# Altium PCB PDB_Core_v1.1_PCB.PcbDoc (part 2 of 2)
Units mm, origin at the board's own origin, x right, y up, seen from the top; angles counter-clockwise.
Board outline 56 x 38 mm, 4 copper layers (Top Layer, GND, POWER, Bottom Layer), stack 0.603 mm thick; 64 components, 98 nets, 359 pads, 153 vias.
Unrouted connection lines stored in the file: 1.
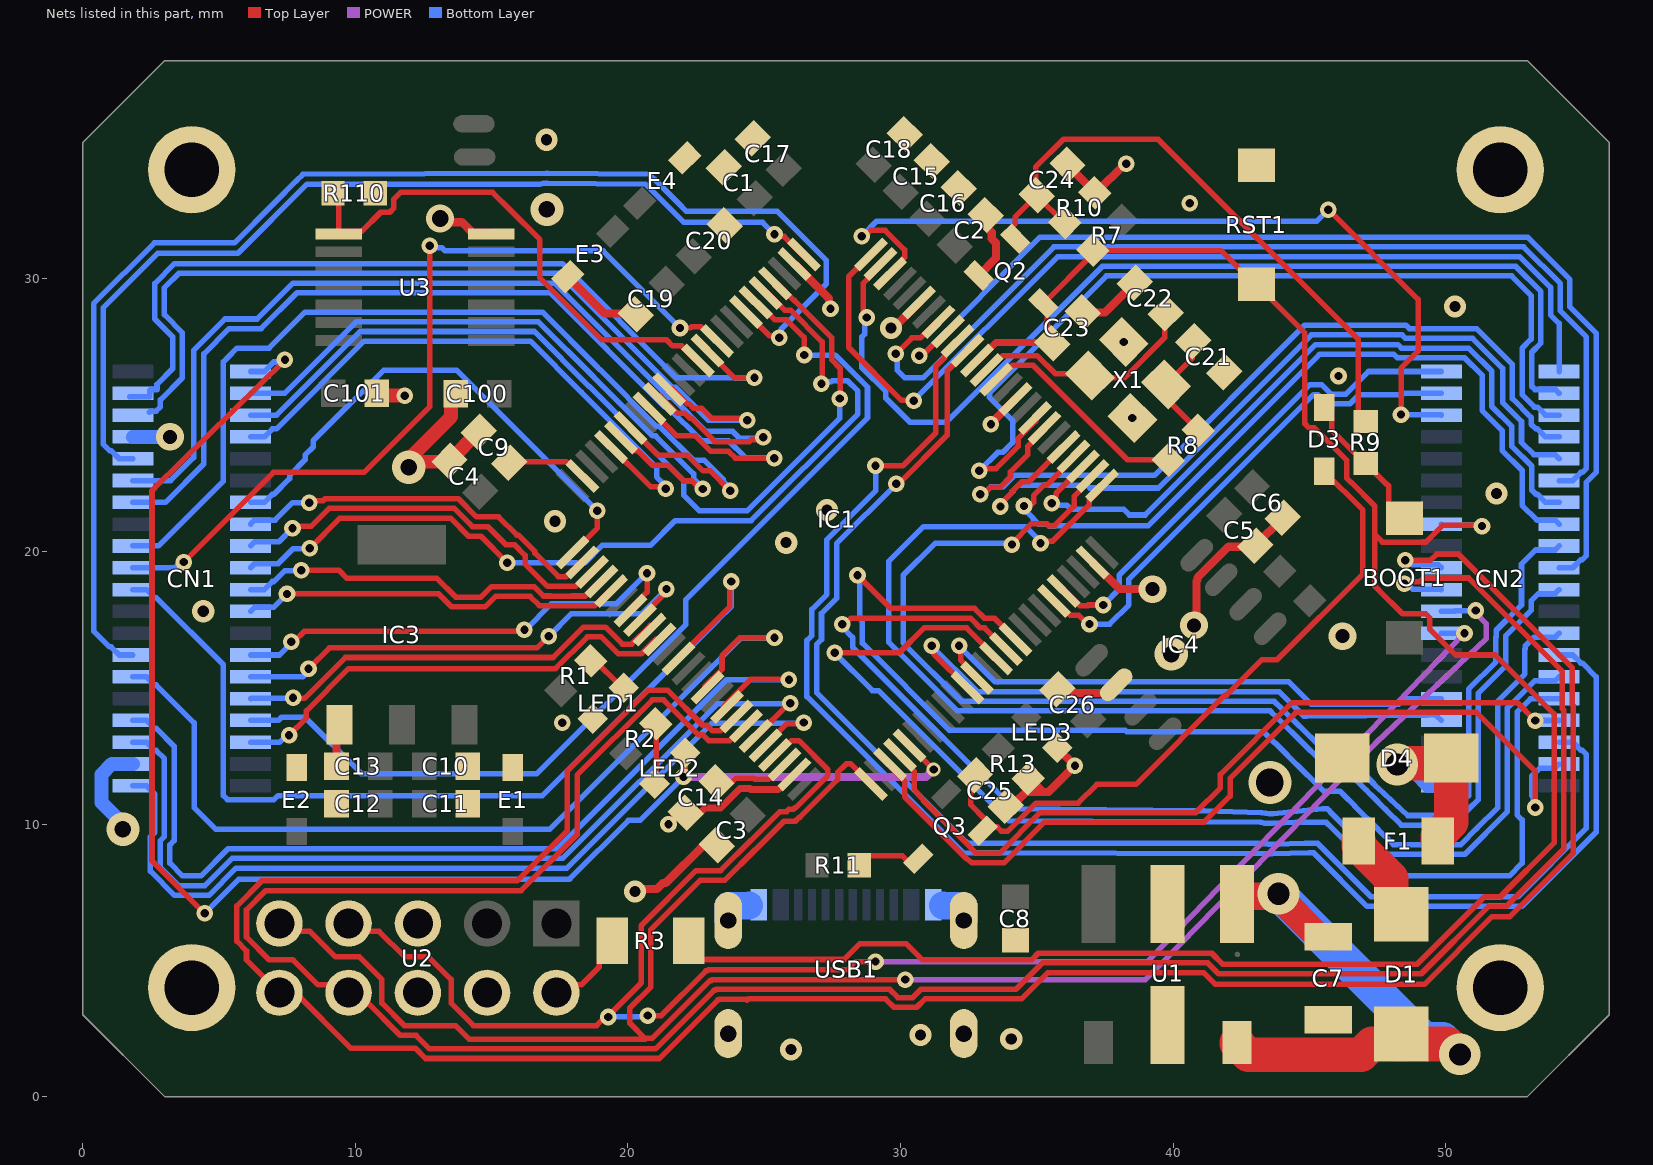
[diagram p4: the nets of this part, all layers, seen from the top]

## Via types
v1: diameter 0.61, hole 0.305, Top Layer to Bottom Layer, 113 vias
v2: diameter 0.813, hole 0.406, Top Layer to Bottom Layer, 12 vias
v3: diameter 1.219, hole 0.61, Top Layer to Bottom Layer, 9 vias
v4: diameter 1.524, hole 0.813, Top Layer to Bottom Layer, 5 vias
v5: diameter 1.016, hole 0.508, Top Layer to Bottom Layer, 4 vias
v6: diameter 1.524, hole 0.762, Top Layer to Bottom Layer, 2 vias
v7: diameter 1.2, hole 1.2, Top Layer to Bottom Layer, 2 vias
v8: diameter 0.8, hole 0.8, Top Layer to Bottom Layer, 2 vias
v9: diameter 1.016, hole 0.61, Top Layer to Bottom Layer, 1 vias
v10: diameter 0.508, hole 0.305, Top Layer to Bottom Layer, 1 vias
v11: diameter 1.575, hole 1.016, Top Layer to Bottom Layer, 1 vias
v12: diameter 1.422, hole 0.762, Top Layer to Bottom Layer, 1 vias

## Nets (pads, with @x,y where several pads share a name; then routed paths per layer and width w, separated by ;. In a path a pad name is that pad's centre, name@x,y a point inside that pad or via, vN(x,y) a via of type N, cw(c..) or ccw(c..) an arc to the next point about the centre after c; other vN are vias at no path point) (continued)
FAN2_PWR_EN: CN2.33 IC1.4 | length 29.9
  Top Layer w0.203: v1(34.528,21.667) 34.606,21.744 34.825,21.744 34.884,21.803 34.884,22.045 35.27,22.432 35.367,22.432 36.34,23.405 IC1.4@36.34,23.473
  Bottom Layer w0.203: v1(34.528,21.667) 34.528,21.557 34.876,21.209 34.876,21.186 35.043,21.019 35.363,21.019 35.433,20.949 39.09,20.949 45.37,27.229 48.102,27.229 48.227,27.104 50.695,27.104 51.333,26.466 51.333,25.171 52.07,24.435 52.07,23.708 52.8,22.978 52.8,22.098 52.807,22.091 52.807,21.692 53.35,21.148 54.012,21.148 CN2.33@54.16,21
FAN3_PWR_EN: CN2.36 IC1.5 | length 29.6
  Top Layer w0.203: v1(33.665,21.647) 33.665,21.737 34.108,22.18 34.108,22.21 34.454,22.555 34.714,22.555 IC1.5@35.986,23.827
  Bottom Layer w0.203: v1(33.665,21.647) 33.665,21.737 34.108,22.18 34.108,22.21 34.331,22.432 36.844,22.432 36.949,22.327 39.462,22.327 45.076,27.94 48.396,27.94 48.521,27.815 50.99,27.815 52.089,26.716 52.089,25.457 52.781,24.765 52.781,24.003 53.236,23.548 54.012,23.548 CN2.36@54.16,23.4
FIREON_PWR_EN: CN1.7 IC1.42 | length 36.9
  Top Layer w0.203: IC1.42@20.8,25.241 21.806,24.235 22.48,24.235 23.043,23.673 23.69,23.673 23.941,23.421 v1(25.372,23.421)
  Bottom Layer w0.203: CN1.7@1.84,21.8 3.029,21.8 4.445,23.215 4.445,27.25 5.366,28.171 6.546,28.171 7.865,29.489 17.155,29.489 21.343,25.301 21.46,25.301 22.71,24.051 23.698,24.051 24.327,23.421 v1(25.372,23.421)
GLVMS_OFF: CN2.3 IC1.23 | length 31.2
  Top Layer w0.203: v1(28.581,31.566) 28.691,31.566 28.904,31.779 29.436,31.779 30.15,31.065 30.15,30.787 29.622,30.259 IC1.23@29.622,30.191 ; v1(45.695,32.537) 48.991,29.241 48.991,27.35 48.362,26.721 v1(48.362,25.019)
  Bottom Layer w0.203: v1(28.581,31.566) 29.128,32.114 45.271,32.114 v1(45.695,32.537) ; v1(48.362,25.019) 48.371,25.009 49.83,25.009 CN2.3@49.84,25
GND: C1.1 C2.1 C3.1 C4.1 C5.1 C6.1 C7.1 C8.1 C9.2 C10.1 C11.1 C12.1 C13.1 C14.2 C15.1 C16.1 C17.1 C18.1 C19.1 C20.1 C21.2 C22.1 C23.1 C24.1 C25.1 C26.1 C100.1 C101.1 CN1.4 CN1.19 D4.1 E1.2 E2.2 E3.2 E4.2 IC1.10 IC1.20 IC1.27 IC1.74 IC1.99 IC3.1 IC4.2 LED1.1 LED3.1 pad.3 pad.4 pad.5 pad.6 Q2.2 R10.1 R13.1 R110.1 RST1.2 U1.2 U1.5 U2.4 U2.5 U2.6 U3.7 USB1.1 USB1.2 USB1.3 USB1.4 USB1.A1B12 USB1.B1A12 X1.2 X1.4 | length 60.1
  Top Layer w0.254: C14.2@22.117,10.407 22.152,10.372 22.609,10.372 22.824,10.587 23.399,10.587 24.107,11.296 24.471,11.296 24.5,11.267 25.516,11.267 26.071,11.823 IC1.74@26.103,11.823
  Top Layer w0.305: C13.1@9.309,12.116 9.309,13.532 IC3.1@9.419,13.642 ; v9(13.109,32.212) 13.245,32.076 13.909,32.076 14.294,31.69 14.944,31.69 U3.7@14.992,31.643 ; E3.2@17.789,30.083 19.141,28.73 20.252,28.73 C19.1@20.288,28.695 ; v2(20.265,7.518) 20.362,7.616 21.064,7.616 21.281,7.833 21.388,7.833 22.803,9.249 23.224,9.249 C3.1@23.26,9.213 ; v1(21.487,9.987) 21.802,10.301 21.674,10.429 22.095,10.429 C14.2@22.117,10.407 ; IC1.27@26.103,30.541 IC1.27@26.103,30.544 27.374,29.274 27.374,28.964 v1(27.432,28.905) ; v2(29.648,28.202) 29.751,28.202 30.679,29.13 IC1.20@30.683,29.13 ; Q2.2@32.871,30.123 33.505,30.757 33.505,31.321 33.344,31.482 33.344,31.704 33.128,31.92 C2.1@33.128,32.341 ; v1(33.317,24.661) 33.317,24.69 34.218,25.591 IC1.10@34.218,25.595 ; C25.1@33.773,10.798 34.22,10.798 34.598,11.176 35.23,11.176 ; R13.1@34.635,11.72 34.686,11.72 35.23,11.176 ; LED3.1@35.747,12.797 35.747,12.795 36.398,12.144 v1(36.398,12.141) 35.433,11.176 35.23,11.176 ; C26.1@35.756,14.942 35.792,14.977 36.213,14.977 36.382,14.808 37.608,14.808 IC4.2@37.909,15.108 ; C24.1@36.126,34.195 36.126,34.178 37.124,33.179 R10.1@37.124,33.162 37.175,33.162 38.232,34.219 v1(38.283,34.219) ; C23.1@36.691,28.767 36.727,28.731 37.148,28.731 37.183,28.767 37.502,28.767 C22.1@38.594,29.859 ; IC1.99@37.047,19.601 38.03,18.618 v5(39.244,18.617) v5(39.244,18.617) ; v5(40.768,17.286) 40.857,17.375 40.857,18.912 40.894,18.949 40.894,19.035 42.036,20.176 42.974,20.176 C5.1@43.009,20.212 C6.1@44.025,21.228
  Top Layer w0.508: C101.1@10.782,25.806 10.864,25.724 11.792,25.724 v1(11.811,25.705) ; C100.1@13.678,25.781 13.509,25.612 13.509,24.939 12.021,23.451 12.021,23.147 v3(11.963,23.089) 12.156,23.089 12.356,23.289 13.42,23.289 C4.1@13.455,23.324 C9.2@14.522,24.391
  Bottom Layer w0.508: v3(1.473,9.804) 1.473,9.997 0.684,10.786 0.684,11.818 1.061,12.196 1.836,12.196 CN1.19@1.84,12.2 ; CN1.4@1.84,24.2 1.842,24.202 v5(3.198,24.202)
  Bottom Layer w1.016: USB1.2@23.68,6.461 23.68,6.995 23.688,7.003 24.432,7.003 24.44,7.011 ; 31.56,7.011 31.568,7.003 32.312,7.003 32.32,6.995 USB1.1@32.32,6.461
  other v1: 17.596,13.719 38.506,24.892 46.068,26.434 38.188,27.685 40.615,32.774
  other v2: 25.984,1.727 34.061,2.108 30.739,2.262 4.42,17.805 25.806,20.32 17.323,21.107 27.308,21.522 51.867,22.123 50.343,28.981 17.018,35.103
  other v3: 39.931,16.233 17.027,32.547
  other v5: 46.216,16.891
  other v11: 43.548,11.52
H1_24V_Backup_EN: CN2.28 IC1.91 | length 44
  Top Layer w0.203: v1(28.423,19.126) 29.642,17.907 32.716,17.907 33.071,17.551 33.44,17.551 IC1.91@34.218,16.773
  Bottom Layer w0.203: v1(28.423,19.126) 28.5,19.048 28.5,17.546 28.6,17.446 28.6,16.632 31.796,13.437 38.247,13.437 38.297,13.386 43.316,13.386 44.16,12.559 cw(c44.018,12.413) 44.161,12.558 ; 44.161,12.557 44.893,11.825 ccw(c45.037,11.969) 44.911,11.81 44.913,11.81 45.519,11.204 46.123,11.204 46.242,11.085 46.666,10.653 ccw(c48.225,12.183) 46.688,10.631 47.502,9.825 48.081,9.246 50.553,9.246 51.137,9.829 51.911,10.603 51.911,12.603 51.911,14.51 52.908,15.507 52.908,16.411 52.921,16.424 52.921,16.539 53.234,16.852 54.012,16.852 CN2.28@54.16,17
H1_current_IN10: CN2.23 IC1.15 | length 51.2
  Top Layer w0.203: v1(29.845,22.479) 29.926,22.479 31.713,24.267 31.713,26.625 IC1.15@32.45,27.362
  Bottom Layer w0.203: v1(29.845,22.479) 27.654,20.288 27.654,18.275 27.102,17.723 27.102,16.765 26.924,16.587 26.924,14.823 32.391,9.356 32.481,9.296 43.138,9.296 ccw(c43.548,11.52) 43.682,9.263 44.839,9.296 45.302,9.296 45.361,9.237 47.266,7.332 52.65,7.332 55.164,9.845 55.164,12.555 55.015,12.704 54.956,12.704 54.66,13 CN2.23@54.16,13
H1_select: CN2.22 IC1.78 | length 32.8
  Top Layer w0.203: IC1.78@29.622,12.176 29.622,12.108 30.15,11.58 30.15,10.999 30.497,10.651 32.405,8.744 32.424,8.725 32.622,8.577 33.789,8.577 35.27,10.058 41.123,10.058 42.088,11.024 42.088,11.676 44.509,14.097 51.13,14.097 53.282,11.945 v1(53.282,10.606)
  Bottom Layer w0.203: v1(53.282,10.606) 53.205,10.684 53.205,10.996 53.156,11.045 53.156,11.755 53.452,12.052 54.012,12.052 CN2.22@54.16,12.2
H2_24V_Backup_EN: CN2.32 IC1.2 | length 45.9
  Top Layer w0.203: v1(34.087,20.251) 34.087,20.295 34.811,21.019 35.363,21.019 35.433,20.949 35.655,20.949 36.367,21.66 36.367,22.018 37.047,22.698 IC1.2@37.047,22.766
  Bottom Layer w0.203: v1(34.087,20.251) 34.043,20.295 31.267,20.295 30.099,19.126 30.099,16.643 32.238,14.503 43.707,14.503 43.763,14.447 43.922,14.296 45.391,12.853 45.982,12.853 47.359,11.476 ccw(c48.225,12.183) 47.518,11.317 48.607,10.312 50.112,10.312 50.844,11.045 50.844,13.045 50.844,14.952 51.841,15.949 51.841,16.853 51.854,16.866 51.854,17.107 52.781,18.034 52.781,19.533 53.3,20.052 54.012,20.052 CN2.32@54.16,20.2
H2_current_IN11: CN2.27 IC1.16 | length 56.6
  Top Layer w0.203: v1(29.083,23.139) 30.083,23.139 31.293,24.349 31.293,26.776 31.631,27.114 31.631,27.181 32.097,27.647 IC1.16@32.097,27.716
  Bottom Layer w0.203: v1(29.083,23.139) 29.083,22.22 27.298,20.435 27.298,18.423 26.746,17.871 26.746,16.912 26.568,16.735 26.568,14.675 26.619,14.625 29.174,12.07 29.233,12.011 32.243,9 32.303,8.941 43.539,8.903 ccw(c43.548,11.52) 43.617,8.904 44.986,8.941 45.154,8.941 45.214,8.881 47.119,6.976 52.798,6.976 55.52,9.698 55.52,15.4 55.015,15.904 54.956,15.904 54.66,16.2 CN2.27@54.16,16.2
H2_select: CN2.26 IC1.90 | length 41.6
  Top Layer w0.203: v1(27.864,17.323) 27.957,17.323 28.186,17.551 32.569,17.551 32.924,17.196 33.088,17.196 IC1.90@33.865,16.419
  Bottom Layer w0.203: v1(27.864,17.323) 27.864,17.223 28.245,16.842 28.245,16.485 34.104,10.626 34.163,10.566 40.956,10.482 ccw(c40.97,11.599) 40.99,10.482 41.125,10.482 43.257,10.414 ccw(c43.548,11.52) 43.663,10.382 45.483,10.566 45.649,10.566 45.662,10.557 45.73,10.489 45.764,10.446 47.32,8.89 50.701,8.89 52.266,10.456 52.266,12.368 52.266,14.257 53.261,15.252 54.012,15.252 CN2.26@54.16,15.4
H3_24V_Backup_EN: CN2.40 IC1.25 | length 36.2
  Top Layer w0.203: IC1.25@28.915,30.898 28.101,30.084 28.101,27.48 30.039,25.542 30.47,25.542 v1(30.482,25.529)
  Bottom Layer w0.203: v1(30.482,25.529) 35.771,30.818 52.711,30.818 53.848,29.681 53.848,28.675 54.16,28.363 CN2.40@54.16,26.6
H3_current_IN12: CN2.31 IC1.17 | length 39.6
  Top Layer w0.203: v1(30.69,27.174) 30.779,27.174 31.675,28.069 IC1.17@31.743,28.069
  Bottom Layer w0.203: v1(30.69,27.174) 30.764,27.174 35.12,31.529 53.006,31.529 54.559,29.976 54.559,28.97 55.52,28.009 55.52,22.898 55.164,22.542 55.164,19.845 55.015,19.696 54.956,19.696 54.66,19.4 CN2.31@54.16,19.4
H3_select: CN2.30 IC1.1 | length 46.7
  Top Layer w0.203: v1(35.137,20.295) 35.214,20.372 35.582,20.372 36.932,21.722 36.932,21.875 37.4,22.344 IC1.1@37.4,22.413
  Bottom Layer w0.203: v1(35.137,20.295) 35.137,20.359 34.584,20.912 30.843,20.912 29.566,19.634 29.566,16.673 32.091,14.148 43.559,14.148 43.618,14.09 43.77,13.941 44.881,12.852 45.235,12.498 45.835,12.498 47.096,11.237 ccw(c48.225,12.183) 47.279,11.054 47.797,10.536 48.376,9.957 50.259,9.957 50.842,10.54 51.2,10.898 51.2,12.897 51.2,14.805 52.197,15.802 52.197,16.706 52.21,16.718 52.21,16.912 53.137,17.839 53.137,18.186 53.402,18.452 54.012,18.452 CN2.30@54.16,18.6
H4_current_IN13: CN2.35 IC1.18 | length 38
  Top Layer w0.203: v1(29.829,27.25) 29.832,27.25 30.416,27.834 30.732,27.834 31.321,28.423 IC1.18@31.39,28.423
  Bottom Layer w0.203: v1(29.829,27.25) 29.886,27.193 29.886,26.64 30.157,26.368 30.818,26.368 35.623,31.173 52.859,31.173 54.204,29.828 54.204,28.823 55.164,27.862 55.164,23.045 55.015,22.896 54.956,22.896 54.66,22.6 CN2.35@54.16,22.6
H4_select: CN2.34 IC1.3 | length 27.3
  Top Layer w0.203: v1(35.544,21.772) 35.544,21.882 35.714,22.052 35.714,22.14 IC1.3@36.693,23.12
  Bottom Layer w0.203: v1(35.544,21.772) 35.622,21.694 36.101,21.694 36.255,21.539 38.196,21.539 38.399,21.336 38.975,21.336 45.223,27.584 48.249,27.584 48.374,27.46 50.843,27.46 51.689,26.613 51.689,25.324 52.426,24.587 52.426,23.856 53.156,23.125 53.156,22.245 53.305,22.096 53.364,22.096 53.66,21.8 CN2.34@54.16,21.8
H5_current_IN1: CN2.39 IC1.24 | length 37.6
  Top Layer w0.203: v1(28.761,28.583) 28.761,28.693 28.626,28.829 28.626,29.833 29.269,30.476 IC1.24@29.269,30.544
  Bottom Layer w0.203: v1(28.761,28.583) 28.684,28.505 28.684,27.974 28.582,27.872 28.582,26.738 29.46,25.859 29.46,25.618 30.338,24.74 31.683,24.74 37.406,30.462 52.564,30.462 53.492,29.534 53.492,27.642 53.156,27.305 53.156,26.059 53.275,25.94 54.02,25.94 CN2.39@54.16,25.8
H5_select: CN2.38 IC1.8 | length 34.2
  Top Layer w0.203: v1(32.893,22.962) 32.969,23.038 33.503,23.038 34.316,23.851 34.316,24.142 IC1.8@34.957,24.783
  Bottom Layer w0.203: v1(32.893,22.962) 33.569,23.638 33.754,23.638 34.111,23.995 34.111,24.802 33.264,25.649 33.264,25.818 37.553,30.106 52.417,30.106 53.137,29.386 53.137,27.789 52.8,27.453 52.8,25.752 53.256,25.296 53.364,25.296 53.66,25 CN2.38@54.16,25
IIC1_SCL_PB8: CN2.2 IC1.95 | length 18.9
  Top Layer w0.203: IC1.95@35.632,18.187 35.701,18.187 36.224,17.664 36.291,17.664 36.296,17.659 36.433,17.659 36.435,17.657 36.543,17.657 36.866,17.334 v1(36.934,17.334)
  Bottom Layer w0.203: v1(36.934,17.334) 37.674,17.334 38.379,18.04 38.379,18.98 45.154,25.754 45.311,25.754 45.647,25.418 46.489,25.418 46.825,25.754 48.397,25.754 48.443,25.8 CN2.2@49.84,25.8
IIC1_SDA_PB9: CN2.1 IC1.96 | length 18.2
  Top Layer w0.203: IC1.96@35.986,18.54 36.054,18.54 36.582,18.012 36.86,18.012 36.882,18.034 v1(37.44,18.034)
  Bottom Layer w0.203: v1(37.44,18.034) 38.024,18.618 38.024,19.127 45.006,26.11 45.458,26.11 45.794,25.773 46.341,25.773 47.168,26.6 CN2.1@49.84,26.6
IL+_PWR_EN: CN2.37 IC1.7 | length 30.1
  Top Layer w0.203: v1(32.929,22.099) 33.039,22.099 33.291,22.351 33.648,22.351 34.035,22.738 34.035,22.918 34.672,23.554 34.672,23.858 35.279,24.465 IC1.7@35.279,24.534
  Bottom Layer w0.203: v1(32.929,22.099) 33.039,22.099 33.305,22.365 33.761,22.365 34.183,22.788 39.315,22.788 44.823,28.296 48.544,28.296 48.668,28.171 51.137,28.171 52.445,26.863 52.445,25.604 53.137,24.912 53.137,24.664 53.305,24.496 53.364,24.496 53.66,24.2 CN2.37@54.16,24.2
L1_5V_Backup_EN: CN1.2 IC1.36 | length 31.7
  Top Layer w0.203: IC1.36@22.986,27.298 23.916,26.368 v1(24.641,26.368)
  Bottom Layer w0.203: CN1.2@1.722,25.678 2.462,25.678 2.462,25.914 2.488,25.94 2.725,25.94 2.725,26.125 3.302,26.703 3.302,27.872 2.638,28.536 2.638,28.953 2.638,29.819 2.65,29.833 3.373,30.556 17.597,30.556 21.785,26.368 v1(24.641,26.368)
L1_24V_Backup_EN: CN1.39 IC1.45 | length 24
  Top Layer w0.203: IC1.45@19.774,24.215 20.288,23.701 20.355,23.701 20.887,23.168 21.448,23.168 22.034,22.582 22.348,22.582 22.639,22.292 v1(22.749,22.292)
  Bottom Layer w0.203: CN1.39@6.16,25.8 7.405,25.8 10.027,28.423 16.713,28.423 18.745,26.391 ; 18.803,26.333 20.901,24.235 21.018,24.235 22.408,22.844 22.408,22.671 22.749,22.33 v1(22.749,22.292)
L1_current_IN3: CN1.5 IC1.26 | length 35
  Top Layer w0.203: v1(25.376,31.636) 25.454,31.558 25.729,31.558 26.389,30.898 IC1.26@26.457,30.898
  Bottom Layer w0.203: CN1.5@1.84,23.4 1.34,23.4 1.044,23.696 0.985,23.696 0.757,23.924 0.757,28.946 2.746,30.935 5.687,30.935 8.23,33.477 16.771,33.477 cw(c17.027,32.547) 17.039,33.512 20.644,33.477 20.704,33.418 22.05,32.071 24.94,32.071 v1(25.376,31.636)
L1_select0: CN1.6 IC1.41 | length 35.3
  Top Layer w0.203: IC1.41@21.176,25.708 21.82,25.064 22.092,25.064 22.267,24.889 22.329,24.889 23.19,24.028 24.457,24.028 24.533,24.105 24.887,24.105 v1(24.965,24.183)
  Bottom Layer w0.203: CN1.6@1.84,22.6 3.22,22.6 4.064,23.444 4.064,27.372 5.219,28.526 6.399,28.526 7.717,29.845 17.303,29.845 21.491,25.657 21.607,25.657 22.857,24.406 23.845,24.406 24.1,24.152 24.934,24.152 v1(24.965,24.183)
L1_select1: CN1.9 IC1.44 | length 35.3
  Top Layer w0.203: IC1.44@20.12,24.507 21.103,23.524 22.186,23.524 22.758,22.952 23.023,22.952 v1(23.749,22.225)
  Bottom Layer w0.203: CN1.9@1.84,20.2 2.776,20.2 5.156,22.58 5.156,26.955 5.305,27.104 5.66,27.46 6.841,27.46 8.159,28.778 16.861,28.778 18.892,26.746 ; 18.951,26.688 21.049,24.59 21.165,24.59 22.415,23.34 22.806,23.34 23.495,22.651 23.495,22.589 23.749,22.335 v1(23.749,22.225)
L2_5V_Backup_EN: CN1.33 IC1.52 | length 14
  Top Layer w0.203: v1(8.311,21.786) 8.389,21.864 8.82,21.864 8.887,21.932 13.781,21.932 14.446,21.267 15.257,21.267 15.925,20.599 15.991,20.599 16.586,20.004 16.586,19.938 17.451,19.073 17.729,19.073 18.257,19.601 IC1.52@18.325,19.601
  Bottom Layer w0.203: CN1.33@6.16,21 6.308,21.148 7.057,21.148 7.695,21.786 v1(8.311,21.786)
L2_current_IN4: CN1.38 IC1.29 | length 33.2
  Top Layer w0.203: IC1.29@25.396,29.837 25.465,29.837 26.097,29.205 26.115,29.205 27.483,27.837 27.483,27.024 27.788,26.719 27.788,25.621 v1(27.773,25.607)
  Bottom Layer w0.203: CN1.38@6.16,25 7.108,25 10.175,28.067 16.566,28.067 18.598,26.035 ; 18.656,25.977 20.754,23.879 22.053,22.58 22.053,22.054 22.618,21.488 24.373,21.488 27.773,24.888 v1(27.773,25.607)
L2_select0: CN1.37 IC1.46 | length 22
  Top Layer w0.203: IC1.46@19.241,23.964 20.829,22.376 21.306,22.376 v1(21.384,22.298)
  Bottom Layer w0.203: CN1.37@6.16,24.2 6.66,24.2 6.956,24.496 7.107,24.496 10.322,27.711 16.419,27.711 18.3,25.83 20.607,23.523 21.055,23.075 21.055,22.737 21.384,22.408 v1(21.384,22.298)
L2_select1: CN1.34 IC1.51 | length 19.1
  Top Layer w0.203: IC1.51@17.972,19.955 18.88,20.863 v1(18.88,21.487) v1@18.836,21.531
  Bottom Layer w0.203: CN1.34@6.16,21.8 6.66,21.8 6.956,22.096 7.015,22.096 7.588,22.669 7.588,22.789 8.161,23.362 8.161,23.539 8.456,23.834 8.456,24.061 11.039,26.645 13.722,26.645 v1(18.88,21.487)
L3_5V_Backup_EN: CN1.10 IC1.35 | length 31.3
  Top Layer w0.203: v1(3.708,19.609) 6.996,22.896 10.316,22.896 12.725,25.305 v1(12.725,31.217) ; v1(21.911,28.197) 21.915,28.201 22.3,28.201 22.343,28.244 22.679,28.244 23.207,27.716 IC1.35@23.275,27.716
  Bottom Layer w0.203: CN1.10@1.84,19.4 3.39,19.4 3.598,19.609 v1(3.708,19.609) ; v1(12.725,31.217) 12.803,31.139 13.176,31.139 13.293,31.022 19.087,31.022 v1(21.911,28.197)
L3_current_IN5: CN1.31 IC1.30 | length 32.7
  Top Layer w0.203: v1(8.331,20.117) 9.435,21.221 13.486,21.221 14.151,20.556 14.609,20.556 15.57,19.595 v1(15.57,19.583) ; IC1.30@25.043,29.484 25.111,29.484 25.746,28.849 25.968,28.849 27.127,27.689 27.127,26.174 v1(27.099,26.146)
  Bottom Layer w0.203: CN1.31@6.16,19.4 6.308,19.548 7.165,19.548 7.722,20.105 8.32,20.105 v1(8.331,20.117) ; v1(15.57,19.583) 18.415,19.583 19.05,20.218 20.822,20.218 21.737,21.133 24.52,21.133 28.434,25.046 28.434,25.88 28.047,26.267 27.5,26.267 27.456,26.224 27.177,26.224 v1(27.099,26.146)
L3_select0: CN1.30 IC1.54 | length 14.1
  Top Layer w0.203: v1(8.021,19.311) 9.391,19.311 9.69,19.012 12.992,19.012 13.683,18.321 14.609,18.321 14.995,18.707 16.56,18.707 16.903,18.364 17.154,18.364 17.157,18.362 17.956,18.362 17.958,18.364 18.434,18.364 18.964,18.894 IC1.54@19.032,18.894
  Bottom Layer w0.203: CN1.30@6.16,18.6 6.66,18.6 6.956,18.896 7.015,18.896 7.417,19.298 8.007,19.298 v1(8.021,19.311)
L3_select1: CN1.27 IC1.57 | length 17.4
  Top Layer w0.203: v1(7.645,16.688) 7.746,16.688 8.127,17.069 16.147,17.069 v1(16.203,17.124) ; IC1.57@20.093,17.833 20.093,17.902 20.701,18.51 v1(20.701,19.202)
  Bottom Layer w0.203: CN1.27@6.16,16.2 7.215,16.2 7.645,16.631 v1(7.645,16.688) ; v1(16.203,17.124) 16.235,17.124 17.196,18.085 19.583,18.085 v1(20.701,19.202)
L4_5V_Backup_EN: CN1.26 IC1.58 | length 18.2
  Top Layer w0.203: v1(8.283,15.694) 9.053,16.464 16.66,16.464 17.085,16.889 v1(17.098,16.889) ; IC1.58@20.447,17.48 20.447,17.548 21.412,18.514 v1(21.412,18.618)
  Bottom Layer w0.203: CN1.26@6.16,15.4 8.076,15.4 8.283,15.607 v1(8.283,15.694) ; v1(17.098,16.889) 17.926,17.717 20.511,17.717 v1(21.412,18.618)
L4_current_IN6: CN1.24 IC1.31 | length 36.4
  Top Layer w0.203: IC1.31@24.689,29.13 24.758,29.13 25.394,28.493 25.82,28.493 26.467,27.847 v1(26.467,27.203)
  Bottom Layer w0.203: CN1.24@6.16,13.8 7.18,13.8 7.296,13.915 8.157,13.915 10.223,11.85 16.66,11.85 22.123,17.313 22.123,18.233 28.789,24.899 28.789,26.027 27.613,27.203 v1(26.467,27.203)
L4_select0: CN1.23 IC1.60 | length 17.1
  Top Layer w0.203: v1(7.569,13.255) 8.204,13.89 8.204,14.148 9.754,15.697 17.343,15.697 18.51,16.864 19.026,16.864 19.648,16.243 20.488,16.243 IC1.60@21.018,16.773
  Bottom Layer w0.203: CN1.23@6.16,13 6.169,12.991 7.215,12.991 7.479,13.255 v1(7.569,13.255)
L4_select1: CN1.20 IC1.71 | length 32.5
  Top Layer w0.203: IC1.71@25.043,12.884 25.84,13.681 26.409,13.681 v1(26.449,13.721)
  Bottom Layer w0.203: CN1.20@1.84,11.4 2.34,11.4 2.642,11.098 2.642,9.688 2.482,9.529 2.482,8.271 3.371,7.382 4.629,7.382 5.628,8.382 17.759,8.382 23.071,13.694 26.422,13.694 v1(26.449,13.721)
L5_current_IN7: CN1.14 IC1.32 | length 49.1
  Top Layer w0.203: IC1.32@24.336,28.777 25.202,27.911 25.469,27.911 v1(25.547,27.833)
  Bottom Layer w0.203: CN1.14@1.84,16.2 1.34,16.2 1.044,16.496 0.985,16.496 0.402,17.079 0.402,29.093 2.626,31.318 5.563,31.318 7.036,32.791 7.849,33.604 8.077,33.833 17.022,33.868 cw(c17.027,32.547) 17.042,33.868 20.792,33.833 20.851,33.773 21.02,33.604 21.833,32.791 22.138,32.487 25.47,32.487 27.28,30.677 27.28,29.82 25.625,28.165 25.625,27.911 v1(25.547,27.833)
L5_select0: CN1.15 IC1.65 | length 34.2
  Top Layer w0.203: IC1.65@22.817,15.036 23.452,15.671 23.452,16.075 23.456,16.079 23.456,16.189 24.104,16.837 v1(25.377,16.837)
  Bottom Layer w0.203: CN1.15@1.84,15.4 2.34,15.4 2.636,15.104 2.695,15.104 4.089,13.71 4.089,10.603 4.888,9.804 17.129,9.804 24.162,16.837 v1(25.377,16.837)
L5_select1: CN1.18 IC1.70 | length 33.4
  Top Layer w0.203: IC1.70@24.689,13.237 24.726,13.237 25.915,14.427 v1(25.952,14.427)
  Bottom Layer w0.203: CN1.18@1.84,13 2.34,13 2.636,12.704 2.695,12.704 2.997,12.402 2.997,9.541 2.838,9.381 2.838,8.419 3.519,7.738 4.481,7.738 5.481,8.738 17.607,8.738 23.278,14.409 25.934,14.409 v1(25.952,14.427)
LED_PC12: CN1.40 IC1.80 LED2.1 | length 55.7
  Top Layer w0.203: v1(4.47,6.722) 2.54,8.652 2.54,22.141 2.54,22.225 2.659,22.344 v1(7.417,27.026) ; v1(22.039,11.727) 22.102,11.791 LED2.1@22.102,12.607 ; IC1.80@30.329,12.884 v10(31.214,12)
  POWER w0.305: v1(22.039,11.727) 30.934,11.727 31.207,12 v10(31.214,12)
  Bottom Layer w0.203: v1(4.47,6.722) 5.725,7.976 17.856,7.976 20.015,10.135 20.446,10.135 v1(22.039,11.727) ; CN1.40@6.16,26.6 6.66,26.6 7.008,26.948 7.339,26.948 v1(7.417,27.026)
LOGGER_PWR_EN: CN1.11 IC1.62 | length 35.4
  Top Layer w0.203: IC1.62@21.827,16.1 21.858,16.1 23.743,17.985 23.743,18.85 v1(23.79,18.898)
  Bottom Layer w0.203: CN1.11@1.84,18.6 2.34,18.6 2.636,18.304 2.695,18.304 5.156,15.843 5.156,11.045 5.305,10.896 7.015,10.896 7.164,11.045 16.861,11.045 23.273,17.456 23.273,17.468 23.79,17.986 v1(23.79,18.898)
MCU_UBR_EN: CN1.17 IC1.67 | length 35
  Top Layer w0.203: IC1.67@23.522,14.327 24.511,15.316 25.883,15.316 v1(25.907,15.292)
  Bottom Layer w0.203: CN1.17@1.84,13.8 2.34,13.8 2.636,13.504 2.701,13.504 3.353,12.852 3.353,9.393 3.194,9.234 3.194,8.566 3.666,8.094 4.334,8.094 5.334,9.093 17.424,9.093 23.623,15.292 v1(25.907,15.292)
NetBOOT1_1: BOOT1.1 D3.2 R9.1 | length 5.4
  Top Layer w0.203: D3.2@45.542,25.282 45.816,25.009 45.816,24.446 47.041,23.221 47.091,23.221 47.415,22.897 47.415,22.872 47.801,22.485 47.827,22.485 47.91,22.402 47.91,21.723 48.424,21.21 BOOT1.1@48.489,21.21
NetC7_2: C7.2 D1.1 U1.1 U1.6 | length 22.3
  Top Layer w1.016: U1.1@42.342,7.061 42.342,7.228 42.459,7.345 43.769,7.345 v4(43.866,7.442) ; v4@43.866,7.338 45.336,5.868 C7.2@45.695,5.868
  Top Layer w1.27: U1.6@42.342,1.986 42.342,1.941 42.752,1.531 46.896,1.531 47.296,1.931 47.997,1.931 D1.1@48.362,2.296 48.727,1.931 50.07,1.931 50.452,1.549 v4(50.521,1.549)
  Bottom Layer w1.27: v4(43.866,7.442) 49.202,2.106 49.895,2.106 50.452,1.549 v4(50.521,1.549)
NetC21_1: C21.1 R8.2 X1.1 | length 4.2
  Top Layer w0.203: C21.1@40.742,27.711 40.706,27.676 40.706,27.092 X1.1@39.744,26.129 39.744,25.618 R8.2@40.923,24.439
NetC24_2: C24.2 Q2.1 R9.2 R10.2 | length 23
  Top Layer w0.203: Q2.1@34.215,31.467 34.073,31.608 34.073,31.889 34.215,32.03 34.215,32.284 C24.2@34.994,33.064 ; R10.2@36.028,32.066 35.993,32.066 C24.2@34.994,33.064 ; R9.2@47.066,24.771 46.787,25.05 46.787,27.788 39.453,35.121 35.985,35.121 34.959,34.095 34.959,33.099 C24.2@34.994,33.064
NetC25_2: C25.2 D3.1 Q3.1 | length 24.6
  Top Layer w0.203: C25.2@32.607,11.894 32.571,11.859 32.571,10.71 33.107,10.175 Q3.1@33.107,9.894 ; Q3.1@33.016,9.753 33.158,9.894 33.54,9.894 33.699,9.735 33.942,9.735 34.976,10.77 36.515,10.77 37.201,11.455 38.633,11.455 41.905,14.727 41.961,14.727 43.264,16.031 43.821,16.031 46.965,19.174 46.965,21.515 D3.1@45.542,22.937
NetD1_2: D1.2 F1.2 | length 3.3
  Top Layer w1.27: F1.2@46.815,9.373 46.815,9.184 47.997,8.002 47.997,7.061 D1.2@48.362,6.696
NetLED1_2: LED1.2 R1.2 | length 1.6
  Top Layer w0.203: R1.2@18.709,16.067 19.776,15.001 LED1.2@19.852,15.001
NetLED2_2: LED2.2 R2.1 | length 2.2
  Top Layer w0.203: LED2.2@20.976,11.472 20.976,11.894 21.038,11.956 21.038,13.662 R2.1@21.02,13.68
NetQ3_3: Q3.3 R11.1 | length 2.4
  Top Layer w0.203: R11.1@28.486,8.484 28.486,8.509 28.81,8.832 30.065,8.832 30.268,8.629 30.549,8.629 Q3.3@30.647,8.727
NetR3_1: R3.1 U2.2 | length 3
  Top Layer w0.203: U2.2@17.374,3.81 17.66,4.096 18.288,4.096 18.955,4.763 18.955,4.967 19.225,5.237 19.428,5.237 R3.1@19.428,5.512
NRST: C23.2 CN2.8 IC1.14 Q2.3 R3.2 R7.1 RST1.1 | length 80.7
  Top Layer w0.203: R3.2@22.228,5.512 22.228,5.503 22.701,5.029 27.928,5.029 28.512,5.613 30.204,5.613 30.793,5.024 34.819,5.024 35.053,5.258 41.417,5.258 41.814,4.861 48.955,4.861 51.426,7.332 52,7.332 53.975,9.306 53.975,14.035 51.81,16.2 50.363,16.2 49.423,17.14 49.423,17.56 49.274,17.709 48.425,17.709 47.523,18.61 47.515,18.61 47.396,18.729 47.396,20.625 ; C23.2@35.525,27.671 35.525,28.163 35.382,28.306 35.382,28.957 Q2.3@35.24,29.098 37.044,30.902 R7.1@37.044,31.05 37.062,31.032 41.75,31.032 42.988,29.794 43.118,29.794 43.631,29.28 43.631,29.215 44.831,28.016 44.831,24.683 44.986,24.528 45.185,24.528 46.362,23.351 46.362,22.691 46.511,22.542 46.521,22.542 47.396,21.666 47.396,20.625 ; v1(51.333,20.93) 51.308,20.955 49.888,20.955 49.274,20.341 47.681,20.341 47.396,20.625
  Top Layer w0.254: IC1.14@32.804,27.009 32.837,27.009 33.498,27.671 C23.2@35.525,27.671
  Bottom Layer w0.203: CN2.8@49.84,21 49.875,20.965 51.298,20.965 v1(51.333,20.93)
OE: IC1.37 R110.2 U3.8 | length 19
  Top Layer w0.203: R110.2@9.182,33.147 9.392,32.937 U3.8@9.392,31.643 9.49,31.741 10.231,31.741 10.933,32.443 11.262,32.443 11.411,32.592 11.411,32.921 11.662,33.172 15.037,33.172 15.695,32.514 16.771,31.438 16.771,30.034 19.036,27.769 21.405,27.769 21.638,27.537 21.904,27.537 21.972,27.537 22.5,27.009 IC1.37@22.568,27.009
OS_25M_IN: IC1.12 R8.1 | length 8
  Top Layer w0.203: IC1.12@33.511,26.302 33.58,26.302 34.108,26.83 34.867,26.83 38.336,23.36 39.81,23.36 R8.1@39.827,23.343
OS_25M_OUT: C22.2 IC1.13 X1.3 | length 8.6
  Top Layer w0.203: IC1.13@33.158,26.655 33.226,26.655 33.756,27.185 35.014,27.185 35.681,26.518 36.88,26.518 X1.3@36.951,26.448 37.021,26.377 38.229,26.377 39.69,27.838 39.69,28.692 C22.2@39.726,28.727
PUMP_PWR_EN: CN2.25 IC1.89 | length 42.9
  Top Layer w0.203: v1(27.584,16.281) 29.952,16.281 30.867,17.196 32.421,17.196 33.511,16.106 IC1.89@33.511,16.066
  Bottom Layer w0.203: v1(27.584,16.281) 28.969,14.896 29.198,14.896 33.976,10.118 43.215,10.058 ccw(c43.548,11.52) 43.646,10.024 44.523,10.058 45.617,10.058 45.677,9.999 47.582,8.094 52.334,8.094 52.806,8.566 52.806,10.148 52.622,10.332 52.622,12.221 52.622,14.11 53.105,14.593 54.153,14.593 CN2.25@54.16,14.6
SWCLK: CN2.12 IC1.76 U2.9 | length 70.7
  Top Layer w0.203: U2.9@7.214,6.35 7.5,6.064 8.335,6.064 9.277,5.122 10.146,5.122 10.97,4.298 10.97,3.428 11.794,2.604 13.677,2.604 14.173,2.108 20.632,2.108 ; IC1.76@28.915,11.469 28.178,12.206 28.01,12.206 27.694,11.891 27.694,11.632 26.294,10.232 26.27,10.232 26.139,10.101 25.722,10.101 24.677,9.056 24.671,9.056 23.547,7.932 22.649,7.932 20.845,6.128 20.845,4.024 20.066,3.245 20.066,2.698 20.632,2.133 20.886,2.133 23.009,4.255 23.056,4.255 23.093,4.293 v1(30.175,4.293)
  POWER w0.203: v1(30.175,4.293) 38.9,4.293 38.984,4.293 39.615,4.924 47.423,12.962 cw(c48.225,12.183) 47.459,12.997 51.486,16.788 51.486,17.351 51.103,17.733 v1(51.103,17.83)
  Bottom Layer w0.203: CN2.12@49.84,17.8 50.34,17.8 50.355,17.815 51.088,17.815 v1(51.103,17.83)
SWDIO: CN2.13 IC1.72 U2.7 | length 65.7
  Top Layer w0.203: U2.7@9.754,6.35 10.04,6.064 10.875,6.064 11.817,5.122 12.686,5.122 13.51,4.298 13.51,3.428 14.334,2.604 18.852,2.604 19.169,2.921 v1(19.279,2.921) 19.279,2.961 20.489,4.172 20.489,6.275 22.501,8.288 23.4,8.288 24.524,9.411 24.53,9.411 25.575,10.457 25.818,10.457 25.897,10.535 26.07,10.535 26.123,10.588 26.147,10.588 27.339,11.78 27.339,11.99 26.271,13.058 25.993,13.058 25.465,12.53 IC1.72@25.396,12.53 ; v1(20.726,2.972) 21.222,2.972 22.861,4.611 22.908,4.611 22.945,4.648 28.05,4.648 28.355,4.953 v1(29.083,4.953)
  POWER w0.203: v1(29.083,4.953) 39.057,4.953 39.176,5.072 v1(50.689,17)
  Bottom Layer w0.203: v1(19.279,2.921) 20.676,2.921 v1(20.726,2.972) ; CN2.13@49.84,17 v1(50.689,17)
TAILLIGHT_PWR_EN: CN1.3 IC1.40 | length 32.5
  Top Layer w0.203: IC1.40@21.619,25.972 22.171,25.42 22.24,25.42 22.415,25.245 22.71,25.245 23.065,24.89 24.295,24.89 v1(24.373,24.812)
  Bottom Layer w0.203: CN1.3@2.443,25.103 2.488,25.148 2.695,25.148 2.845,25.298 2.845,25.558 3.658,26.37 3.658,28.019 2.994,28.683 2.994,29.1 2.994,29.672 3.053,29.731 3.522,30.201 17.45,30.201 21.638,26.013 21.754,26.013 22.955,24.812 v1(24.373,24.812)
Temperature_PWR_EN: CN1.32 IC1.53 | length 14.7
  Top Layer w0.203: v1(7.696,20.853) 7.772,20.93 8.388,20.93 9.035,21.576 13.634,21.576 14.299,20.911 14.858,20.911 15.526,20.244 15.844,20.244 16.231,19.857 16.231,19.539 17.05,18.72 17.302,18.72 17.304,18.717 17.809,18.717 17.811,18.72 18.082,18.72 18.61,19.248 IC1.53@18.679,19.248
  Bottom Layer w0.203: CN1.32@6.16,20.2 6.308,20.348 7.191,20.348 v1(7.696,20.853)
TSALR_PWR_EN: CN1.25 IC1.59 | length 16.3
  Top Layer w0.203: v1(7.717,14.635) 7.745,14.607 8.13,14.607 9.631,16.108 17.251,16.108 18.363,17.22 19.174,17.22 19.795,16.598 20.136,16.598 IC1.59@20.825,17.286
  Bottom Layer w0.203: CN1.25@6.16,14.6 6.178,14.618 7.699,14.618 v1(7.717,14.635)
USART1_RX: CN2.11 IC1.69 U2.8 | length 92.9
  Top Layer w0.203: U2.8@9.754,3.81 9.467,4.096 8.632,4.096 7.713,5.016 6.843,5.016 6.008,5.851 6.008,6.849 6.714,7.556 16.085,7.556 18.135,9.605 18.135,11.79 20.898,14.553 21.312,14.553 22.597,13.268 22.753,13.268 22.961,13.061 23.737,13.061 24.267,13.591 IC1.69@24.336,13.591 ; U2.8@10.338,3.558 11.647,2.249 12.231,2.249 12.727,1.753 21.009,1.753 23.156,3.9 23.203,3.9 23.24,3.937 29.597,3.937 29.902,3.632 30.449,3.632 30.754,3.937 34.235,3.937 35.2,4.902 41.27,4.902 41.667,4.505 49.103,4.505 51.573,6.976 52.222,6.976 54.331,9.084 54.331,14.183 54.28,14.233 54.28,15.588 50.843,19.025 49.192,19.025 49.062,18.895 48.558,18.895 v1(48.481,18.817)
  Bottom Layer w0.203: v1(48.481,18.817) 48.591,18.817 48.799,18.609 49.831,18.609 CN2.11@49.84,18.6
USART1_TX: CN2.10 IC1.68 U2.10 | length 95.4
  Top Layer w0.203: U2.10@7.214,3.81 6.008,5.016 6.008,5.348 5.652,5.703 5.652,6.997 6.567,7.911 15.938,7.911 17.779,9.753 17.779,11.937 20.75,14.908 21.46,14.908 22.744,13.623 22.901,13.623 23.108,13.416 23.386,13.416 23.914,13.944 IC1.68@23.982,13.944 ; U2.10@7.798,3.81 9.83,1.778 12.199,1.778 12.58,1.397 21.156,1.397 23.303,3.544 23.35,3.544 23.372,3.566 24.333,3.566 24.368,3.531 24.426,3.581 29.45,3.581 29.754,3.277 30.596,3.277 30.901,3.581 34.441,3.581 35.406,4.547 41.123,4.547 41.551,4.118 49.218,4.118 51.704,6.604 52.353,6.604 54.686,8.937 54.686,14.33 54.635,14.381 54.635,15.735 50.478,19.893 49.657,19.893 49.445,19.68 v1(48.514,19.68)
  Bottom Layer w0.203: v1(48.514,19.68) 48.624,19.68 48.785,19.519 49.721,19.519 CN2.10@49.84,19.4
USART2_RX: CN2.16 IC1.87 | length 20.1
  Top Layer w0.203: v1(32.148,16.535) 32.207,16.476 32.207,16.024 32.804,15.427 IC1.87@32.804,15.358
  Bottom Layer w0.203: v1(32.148,16.535) 33.469,15.215 44.247,15.215 45.066,14.396 48.279,14.396 48.483,14.6 CN2.16@49.84,14.6
USART2_TX: CN2.17 IC1.86 | length 21.9
  Top Layer w0.203: v1(31.14,16.535) 31.218,16.458 31.218,16.237 IC1.86@32.45,15.005
  Bottom Layer w0.203: v1(31.14,16.535) 32.817,14.859 43.892,14.859 44.793,13.958 44.878,13.958 49.317,13.998 49.552,14 49.637,14 49.689,13.948 CN2.17@49.84,13.8
VBAT: CN2.19 CN2.20 D4.2 F1.1 | length 8.9
  Top Layer w1.27: v4(48.225,12.183) 48.274,12.232 50.02,12.232 D4.2@50.209,12.421 50.209,10.066 49.705,9.562 F1.1@49.705,9.373
  Bottom Layer w0.508: CN2.19@49.826,12.186 v4(48.225,12.183) 48.42,11.989 48.626,11.989 48.759,11.989 48.885,11.863 49.348,11.4 CN2.20@49.84,11.4
VCAP_1: C9.1 IC1.49 | length 2.9
  Top Layer w0.203: C9.1@15.653,23.26 15.689,23.295 17.728,23.295 18.257,22.766 IC1.49@18.325,22.766
VCAP_2: C14.1 IC1.73 | length 2.8
  Top Layer w0.203: C14.1@23.248,11.538 23.283,11.503 23.776,11.503 23.95,11.677 24.629,11.677 24.657,11.648 25.153,11.648 25.681,12.176 IC1.73@25.75,12.176
VCU_PWR_EN: CN1.29 IC1.55 | length 14.2
  Top Layer w0.203: v1(7.494,18.44) 13.061,18.44 13.536,17.965 14.756,17.965 15.143,18.351 16.413,18.351 16.756,18.008 17.007,18.008 17.009,18.006 18.103,18.006 18.105,18.008 18.785,18.008 19.318,18.54 IC1.55@19.386,18.54
  Bottom Layer w0.203: CN1.29@6.16,17.8 6.308,17.948 7.002,17.948 v1(7.494,18.44)
VCU_UBR_EN: CN2.24 IC1.79 | length 29
  Top Layer w0.203: IC1.79@29.976,12.53 29.976,12.462 30.506,11.932 30.506,11.281 30.846,10.858 30.853,10.849 32.77,8.933 33.642,8.933 35.123,10.414 40.826,10.414 41.732,11.321 41.732,11.823 44.361,14.453 52.624,14.453 v1(53.282,13.794)
  Bottom Layer w0.203: v1(53.282,13.794) 53.285,13.797 54.157,13.797 CN2.24@54.16,13.8
pads on no net: CN1.21 CN2.18 IC1.6 IC1.9 IC1.83 IC1.84 IC1.85 IC1.88 IC1.97 IC1.98 IC4.5 IC4.8 U1.0 U1.4 U3.5 U3.6 U3.9 U3.10 USB1.A5 USB1.A6 USB1.A7 USB1.A8 USB1.B5 USB1.B6 USB1.B7 USB1.B8
copper on no net:
  other v7: 4,29.1 52,29.1
  other v8: 4,8.9 52,8.9

## Polygon pours and split planes (outlines as drawn)
GND on Bottom Layer "NONET_L-01_P-001" (solid, pour order 1): 0.152,44.374 55.372,44.374 62.205,37.541 62.205,-0.584 55.931,-6.858 0.889,-6.858 -5.969,0 -5.969,38.252
GND on Top Layer "NONET_L-01_P-001" (solid, remove dead copper, pour order 0): 2.032,40.919 53.899,40.919 58.801,36.017 58.801,1.778 54.254,-2.769 2.134,-2.769 -2.337,1.702 -2.337,36.551
GND on GND (split plane): 55.49,34.789 55.49,3.211 52.789,0.51 3.211,0.51 0.51,3.211 0.51,34.789 3.211,37.49 52.789,37.49

## Silkscreen, mask and mechanical layers (free items; w line width, h text height)
Top Overlay:
  text "WUTE" at 25.8,35.248 h0.8
  text "RX" at 9.042,8.204 h0.8
  text "GND" at 11.151,8.204 h0.8
  text "3.3" at 13.792,8.204 h0.8
  text "TX" at 6.426,8.179 h0.8
  text "5V" at 16.637,8.179 h0.8
  text "design" at 26.06,3.365 h0.8
  text "by ljl" at 26.467,1.74 h0.8
  text "TDI" at 6.198,1.194 h0.8
  text "TDO" at 8.585,1.194 h0.8
  text "CLK" at 11.201,1.194 h0.8
  text "DIO" at 13.792,1.194 h0.8
  text "RST" at 16.358,1.194 h0.8
Top Solder:
  the board outline again, w2.032
Mechanical 1:
  the board outline again, w0.254